# Altium PCB pi4.PcbDoc (part 2 of 4)
Units mm, origin at the board's own origin, x right, y up, seen from the top; angles counter-clockwise.
Board outline 90 x 90 mm, 6 copper layers (Top Layer, GND, Layer 1, Layer 2, +3.3V, Bottom Layer), stack 1.576 mm thick; 206 components, 185 nets, 1058 pads, 526 vias.
Unrouted connection lines stored in the file: 110.
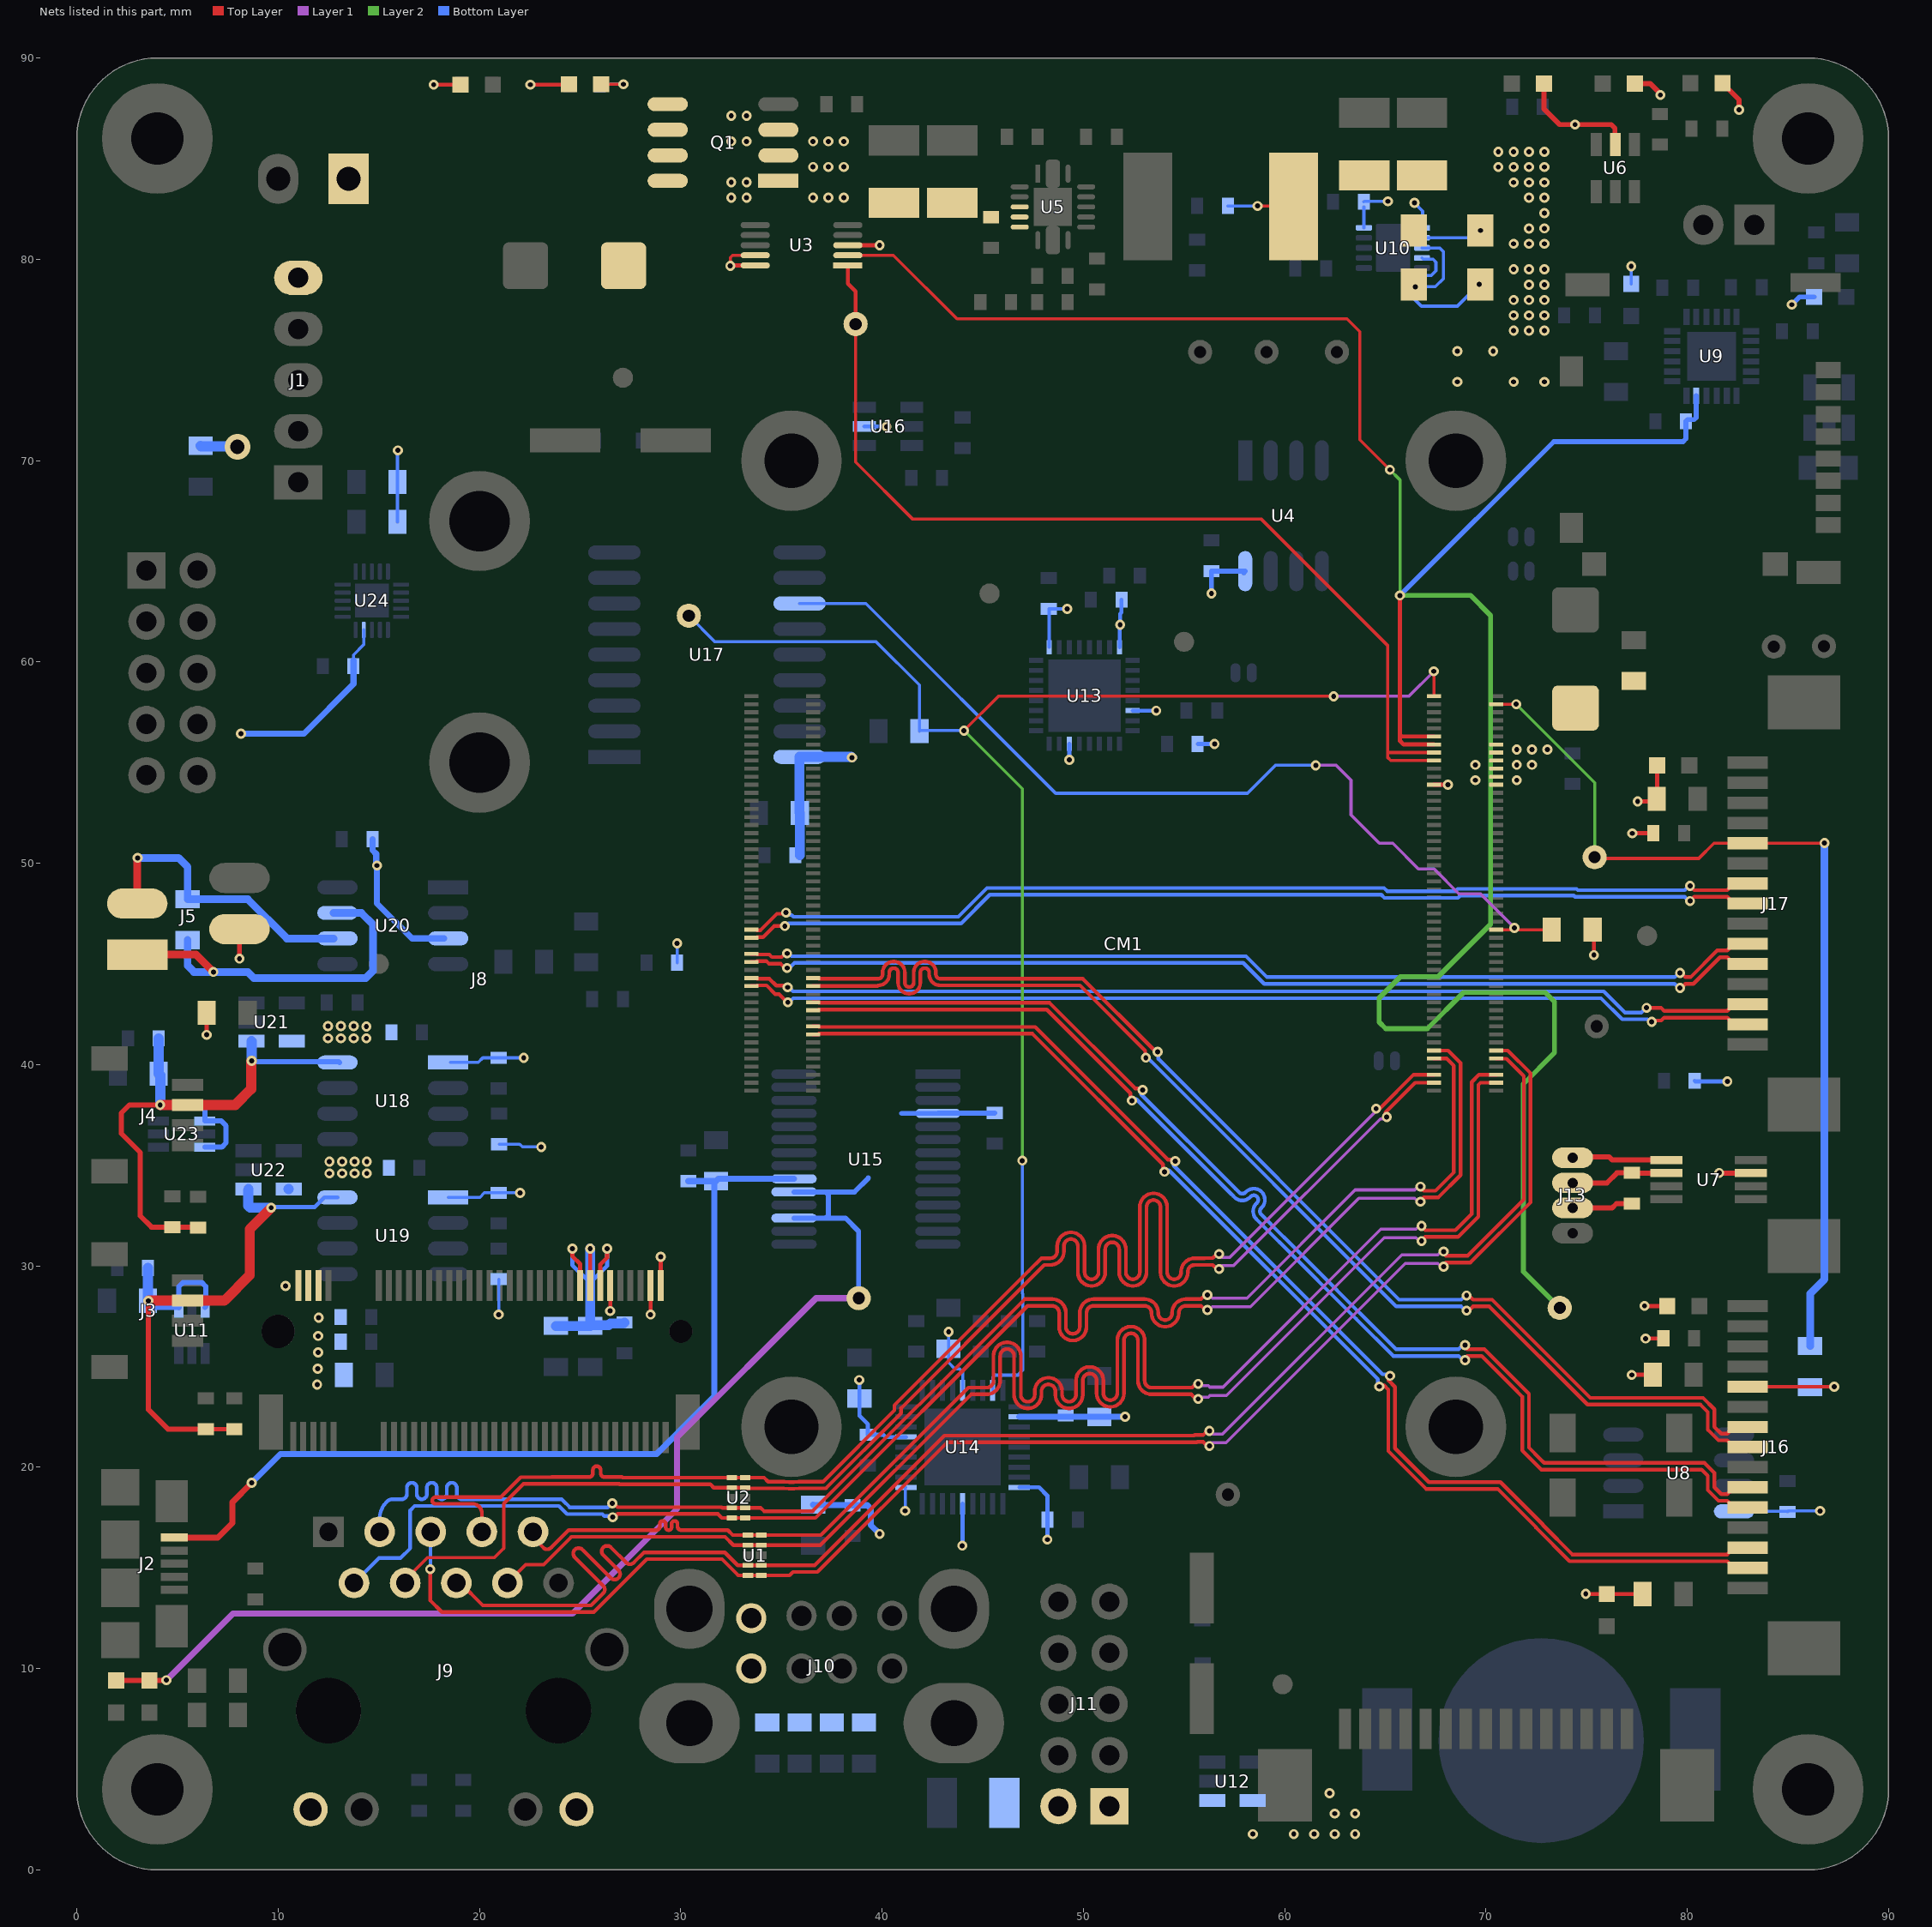
[diagram p6: the nets of this part, all layers, seen from the top]

## Part data
BAT1: library part BAT, Supplier Part Number 1=36-3080CT-ND, Supplier 1=Digi-Key
C1 C6 C16 C18 C19 C20 C22 C24 C26 C28 C29 C31 C35 C36 C37 C40 C43 C46 C51 C54 C56 C61 C62 C63 C64 C65 C67 C68 C70 C71: library part C, "Chip Capacitor", Dielectric=X7R, Supplier 2 Part Number=1292-1393-1-ND, Voltage=16V, Supplier 2=Digi-Key
C2 C41: library part C+2312, "CAP TANT 220UF 20% 10V 2312", Supplier Part Number 1=478-8899-1-ND, Voltage=10V, Supplier 1=Digi-Key
C3 C4 C8 C9: library part C, "CL32B226KPJVPNE", Supplier Part Number 1=490-1719-1-ND, Supplier 1=Digi-Key
C5 C7 C10 C11: library part C, "Chip Capacitor", Dielectric=X7R, Supplier 2 Part Number=1292-1393-1-ND, Supplier Part Number 1=490-13243-1-ND, Voltage=16V, Supplier 1=Digi-Key, Supplier 2=Digi-Key
  C7 C10 C11: Rule="Polygon Connect Style [Style - Direct Connect]"
C13 C14 C15 C17 C25 C27 C30 C34 C42 C44 C45 C47 C48 C49 C52 C53 C57 C59 C60: library part C, "CAP CER 10UF 10V X5R 0805", Supplier Part Number 1=1276-2402-1-ND, Supplier 1=Digi-Key
C21 C23: library part C, "Chip Capacitor", Dielectric=X7R, Voltage=16V
C32 C33 C50 C55 C58 C66 C69: library part C, "Chip Capacitor"
C39: library part C, "Chip Capacitor", Supplier Part Number 1=1276-3364-1-ND, Supplier 1=Digi-Key
CM1: library part CM4, "Raspberry Pi Compute Module 4 by Amornthep Phunsin"
D1 D3 D6 D7: library part LED, Supplier Part Number 1=732-4979-1-ND, Supplier 1=Digi-Key
D2: library part LED, Supplier Part Number 1=350-2035-1-ND, Supplier 1=Digi-Key
D4: library part LED, Supplier Part Number 1=492-1325-1-ND, Supplier 1=Digi-Key
D5: library part LED, Supplier Part Number 1=VAOL-S6SB4CT-ND, Supplier 1=Digi-Key, Vf=2.75V
FB1 FB2 FB3 FB4 FB5: library part FB0603, Supplier Part Number 1=240-2374-1-ND, Supplier 1=Digi-Key
FID1 FID2 FID3 FID4 FID5 FID6: library part FIDUCIAL
J1: library part "CONN 5 MALE", "0022122054", Supplier Part Number 1=WM2714-ND, Supplier 1=Digi-Key
J2: library part "CONN 5 FEMALE", "DEBUG", Supplier Part Number 1=609-5379-1-ND, FUNCTION=CONSOLE, Supplier 1=Digi-Key
J3 J4: library part "CONN 4", Supplier Part Number 1=474-PRT-14417, Supplier 1=Mouser
J5: library part "CONN 4", Supplier Part Number 1=A107031CT-ND, Supplier 1=Digi-Key
J6: library part "CONN 10 (2x5)", Supplier Part Number 1=A106469-ND, Supplier 1=Digi-Key
J7: library part "CONN 2 PHOENIX 3.5 mm", "TERM BLOCK HDR 2POS 90DEG 3.5MM", Supplier Part Number 1=277-2416-ND, Imax=8A, Supplier 1=Digi-Key
J8: Supplier Part Number 1=A124992CT-ND, Supplier 1=Digi-Key
J9: library part CONN/ETHERNET/HR911130A
J10: library part CONN/USB/2xA, "CONN RCPT USB 8POS STACK T/H", Supplier Part Number 1=5787617-4-ND, Supplier 1=Digi-Key
J11: Supplier Part Number 1=609-3236-ND, Supplier 1=Digi-Key
J12 J16 J17: library part "CONN 15 FEMALE", "CONN FPC BOTTOM 15POS 1.00MM R/A", Supplier Part Number 1=A101418CT-ND, Supplier 1=Digi-Key
  J12: FUNCTION=Display
  J16: FUNCTION="Camera 0"
  J17: FUNCTION="Camera 1"
J13: library part "CONN 4 MALE", "WM1733-ND", Supplier 1=Digi-Key, Supplier Part Number 1=WM1733-ND
J14: "10 _8 + 2_ Position Card Connector microSDâ„¢ Surface Mount, Right Angle Gold", Package=None, Supplier Part Number 1=WM12834CT-ND, Digi-Key_Part_Number=WM12834CT-ND, Digi-Key_Purchase_URL=https://www.digikey.com.tr/product-detail/en/molex/5031821852/WM12834CT-ND/5823232?utm_source=snapeda&utm_medium=aggregator&utm_campaign=symbol, MF=Molex, MP=5031821852, SnapEDA_Link=https://www.snapeda.com/parts/5031821852/Molex/view-part/46835/?ref=snap, Supplier 1=Digi-Key
J15: library part "CONN 2 MALE", Supplier Part Number 1=WM2722-ND, Supplier 1=Digi-Key
L1: library part L, "IHLP3232DZER2R2M11", Supplier Part Number 1=541-1350-1-ND, Isat=10.2A, Supplier 1=Digi-Key
Q1: library part NDS9435A, "MOSFET P-CH 30V 11A 8SOIC", Supplier Part Number 1=96K9883, Rdson="18 mΩ", Supplier 1=Newark
R1 R2 R3 R4 R5 R6 R8 R11 R12 R13 R14 R15 R16 R17 R18 R19 R20 R21 R22 R23 R24 R25 R26 R27 R28 R29 R30 R31 R32 R33 R34 R35 R36 R37 R38 R39 R40 R41 R42 R43 R44 R45 R46 R47 R48 R49 R50: library part R, "Chip Resistor SMD"
R7: library part R, "RES 73.2 KOHMS 0.1% 0.15W 0603", Supplier Part Number 1=P73.2KLCT-ND, Supplier 1=Digi-Key
R9 R10: library part R, "273-PCS1206DR0100ETCT-ND", Power=1W, Precision=0.5%, Supplier 1=Digi-Key, Supplier Part Number 1=273-PCS1206DR0100ETCT-ND
RT1: Supplier Part Number 1=1028-1430-1-ND, Supplier 1=Digi-Key
S1 S2 S3 S4: library part HOLE/M2.5
SB1 SB2 SB3 SB4: library part SOLDER-BRIDGE
SCL1 SDA1 TP8 TP10: "Test Point"
TP1 TP2 TP3 TP4 TP5 TP6 TP7 TP9: library part TP, "Test Point"
U1 U2: "TVS DIODE 5.5VWM 10VC U-DFN2510", Supplier Part Number 1=DT1140-04LP-7DICT-ND, Supplier 1=Digi-Key
U3: Supplier Part Number 1=LTC2990IMS#PBF-ND, Supplier 1=Digi-Key
U4: Supplier Part Number 1=24CW1280T-I/OTCT-ND, Supplier 1=Digi-Key
U5: library part RT7299B, "Buck Switching Regulator IC Positive Adjustable 0.6V 1 Output 8A 14-WFQFN Exposed Pad", Supplier Part Number 1=1028-1460-1-ND, Supplier 1=Digi-Key
U6: library part SN74LVC2GU, "IC INVERTER 2CH 2-INP SOT23-6", Supplier Part Number 1=296-13276-1-ND, Supplier 1=Digi-Key
U7: library part EMC2301, "IC MOTOR DRIVER 3V-3.6V 8MSOP", Supplier Part Number 1=886-EMC2301-1-ACZLTR, Supplier 1=Mouser
U8: "RTC", Supplier Part Number 1=DS1307Z+-ND, Supplier 1=Digi-Key
U9: library part TFA9879, "IC AMP CLSS D MONO 2.75W 24HVQFN", Supplier Part Number 1=568-7564-ND, Supplier 1=Digi-Key
U10: "Stromüberwachung Regler Hohe Seite  10-DFN (3x3)", Supplier Part Number 1=PAC1720-1-AIA-CT-ND, Supplier 1=Digi-Key
U11 U23: "The LTC®4311 is a dual I2C active pull-up designed to / enhance data transmission speed and reliability for bus / loading conditions well beyond the 400pF I2C specifi cation / limit. The LTC4311 operates at supply voltages from 1.6V / to 5.5V and is also compatible with SMBus."
U12 U21 U22: library part AP22804, Supplier Part Number 1=AP22814AW5-7DICT-ND, Supplier 1=Digi-Key
U13: "OPTIGA™ TPM  / SECURITY IC'S/AUTHENTICATION IC' / Trusted Platform Module", Supplier Part Number 1=SLB9670VQ12FW640XUMA1, Supplier 1="Arrow Electronics"
U14: library part USB2514B, "USB2 HUB 4-PORT", Supplier Part Number 1=8104043, Supplier 1=RSComponents
U15: Supplier Part Number 1=768-1007-1-ND, Supplier 1=Digi-Key
U16: library part SN74LVC2G07, "Buffer, Non-Inverting 2 Element 1 Bit per Element Open Drain Output SOT-23-6", Supplier Part Number 1=296-SN74AUC2G07DBVTCT-ND, Supplier 1=Digi-Key
U17: Supplier Part Number 1=MCP2515-I/SO-ND, Supplier 1=Digi-Key
U18 U19: "Low-power dual channel digital isolator", Supplier Part Number 1=336-1754-5-ND, Supplier 1=Digi-Key
U24: library part SX1502I08, "IC GPIO EXPANDER I2C 8CH 20QFNI/O Expander 8 I²C 400kHz 20-QFN-UT (3x3)", Supplier Part Number 1=SX1502I087CT-ND, Supplier 1=Digi-Key
X1: library part XTAL, Supplier Part Number 1=XC1776CT-ND, Supplier 1=Digi-Key
X2: library part XTAL, "HCM4924000000ABJT", Supplier Part Number 1=300-6145-1-ND, Supplier 1=Digi-Key
X3: library part XTAL, "CM200C32768HZFT", Supplier Part Number 1=300-8742-1-ND, Supplier 1=Digi-Key

## Via types
v1: diameter 0.5, hole 0.25, Top Layer to Bottom Layer, tented both sides, 427 vias
v2: diameter 0.5, hole 0.25, Top Layer to Bottom Layer, 94 vias
v3: diameter 1.27, hole 0.711, Top Layer to Bottom Layer, tented both sides, 5 vias

## Nets (pads, with @x,y where several pads share a name; then routed paths per layer and width w, separated by ;. In a path a pad name is that pad's centre, name@x,y a point inside that pad or via, vN(x,y) a via of type N, cw(c..) or ccw(c..) an arc to the next point about the centre after c; other vN are vias at no path point)
+1.8VPI: C24.1 CM1.88 CM1.90 TP7.1 U3.2 U9.23 | length 126.7
  Top Layer w0.152: U3.2@38.3,80.2 40.564,80.2 43.726,77.038 63.094,77.038 63.729,76.403 63.729,71.044 v2(65.227,69.545)
  Top Layer w0.203: v1(65.727,63.303) 65.727,56.388 ; CM1.88@67.42,55.9 65.903,55.9 65.727,56.075 65.727,56.388 ; CM1.90@67.42,56.3 65.815,56.3 65.727,56.388 ; 65.727,56.388 65.727,56.3 65.727,56.388
  Layer 2 w0.152: v2(65.227,69.545) 65.727,69.045 v1(65.727,63.303)
  Layer 2 w0.246: v1(65.727,63.303) 69.234,63.303 70.231,62.306 70.231,46.973 67.632,44.374 65.761,44.374 64.694,43.307 64.694,42.113 65.024,41.783 67.081,41.783 68.885,43.586 72.949,43.586 73.406,43.129 73.406,40.589 71.857,39.04 71.857,29.718 TP7.1@73.66,27.915
  Bottom Layer w0.246: v1(65.727,63.303) 73.366,70.942 79.79,70.942 79.934,71.086 C24.1@79.934,71.958 80.01,72.035 80.34,72.035 80.442,72.136 U9.23@80.442,73.228
+3.3V: C13.1 C14.1 C15.1 C16.1 C18.1 C22.1 C34.1 C35.1 C36.1 C37.1 C42.1 C43.1 C45.1 C46.1 C48.1 C50.1 C51.1 C56.1 C57.1 C59.1 C60.1 C62.1 C63.1 C70.1 C71.1 CM1.78 D1.1 D2.1 D3.1 D4.1 D5.1 FB1.1 FB2.1 FB3.1 FB4.1 J8.2 J8.4 J8.12 J8.14 J8.16 J8.18 J8.70 J8.72 J8.74 J9.11 J9.14 R5.1 R9.2 R11.2 R22.1 R25.1 R38.2 R39.1 R40.1 R41.1 R42.1 R48.2 R49.1 U3.3 U4.8 U6.5 U7.3 U10.4 U13.1 U13.8 U13.14 U13.22 U14.5 U14.10 U14.15 U14.23 U14.29 U14.36 U16.5 U17.18 U18.1 U19.1 U24.14 | length 131.1
  Top Layer w0.15: v1@12,27.446 v1(12.014,27.432)
  Top Layer w0.203: v1(6.452,41.478) R5.1@6.452,42.57 ; v2(17.729,88.671) D1.1@19.063,88.671 ; v2(22.53,88.671) 24.422,88.671 D2.1@24.448,88.697 ; v1(24.613,30.861) 24.613,30.48 25,30.093 J8.18@25,29.025 ; J8.16@25.5,29.025 25.5,30.859 v1(25.502,30.861) ; J8.14@26,29.025 26,30.064 26.34,30.404 v1(26.34,30.861) ; v1(26.492,27.762) 26.492,27.788 26.5,27.795 J8.12@26.5,29.025 ; v1(28.499,27.584) 28.5,27.586 J8.4@28.5,29.025 ; J8.2@29,29.025 29,30.448 v1(29.007,30.455) ; U3.3@38.3,80.7 39.874,80.7 v1(39.878,80.696) ; CM1.78@67.42,53.9 v1(68.105,53.9) ; v1(74.955,13.716) 75.006,13.716 75.022,13.7 FB2.1@76,13.7 C13.1@77.784,13.7 ; R11.2@75.3,46.7 75.362,46.638 v1(75.362,45.441) ; v1(77.241,24.587) 77.254,24.6 C14.1@78.284,24.6 ; v1(77.267,51.486) 77.281,51.5 C16.1@78.313,51.5 ; v1(77.536,53.07) 78.354,53.07 78.5,53.216 FB3.1@78.5,55 ; v1(77.876,28.016) 77.893,28 FB4.1@79,28 ; v1(77.927,26.391) 77.937,26.4 C18.1@78.813,26.4 ; v1(81.991,39.167) v1@82.005,39.153
  Top Layer w0.25: D5.1@72.885,88.722 72.885,87.465 73.66,86.69 76.225,86.69 76.406,86.51 76.406,85.729 U6.5@76.429,85.706 ; D4.1@77.394,88.722 78.169,88.722 78.664,88.227 v2(78.664,88.163) ; D3.1@81.75,88.75 82.575,87.925 v2(82.575,87.427)
  Top Layer w0.254: v2(81.585,34.62) 81.685,34.62 81.695,34.61 U7.3@83.16,34.61
  Bottom Layer w0.15: U19.1@18.449,33.405 20.019,33.405 20.244,33.63 R41.1@20.955,33.63 v1(22.022,33.63) ; U18.1@18.549,40.105 19.937,40.105 20.168,40.335 R40.1@20.955,40.335 v1(22.2,40.335) ; v1(20.955,27.584) R42.1@20.955,29.337 ; R39.1@20.98,36.043 21.996,36.043 22.129,35.91 v1(23.069,35.91) ; C50.1@35.9,52.516 C50.1@35.916,52.5 ; v1(41.148,17.831) 41.148,18.965 U14.10@41.183,19 ; v1(43.307,26.721) 43.3,26.714 C42.1@43.3,25.884 43.3,25.204 43.612,24.892 43.84,24.892 44,24.732 U14.23@44,23.817 ; U10.4@66.824,80.069 66.889,80.004 67.367,80.004 67.513,79.858 67.513,79.426 67.291,79.204 66.391,79.204 66.022,78.835 66.022,78.442 66.791,77.673 68.58,77.673 v1(69.672,78.765)
  Bottom Layer w0.152: C71.1@13.741,60.071 13.741,60.35 14.256,60.865 U24.14@14.256,61.593 ; R49.1@15.926,66.954 R38.2@15.926,68.936 15.926,70.485 v2(15.951,70.51) ; U13.1@48.301,60.732 48.301,62.621 C37.1@48.285,62.636 v2(49.2,62.636)
  Bottom Layer w0.203: C59.1@23.8,27.016 C59.1@23.816,27 ; v1(24.613,30.861) 24.613,30.047 25.501,29.159 26.34,29.998 v1(26.34,30.861) ; v2(38.862,24.333) 38.862,24.308 38.875,24.295 C45.1@38.875,23.416 38.875,22.554 39.294,22.136 C43.1@39.294,21.615 40.051,21.615 40.166,21.5 U14.15@41.183,21.5 ; U16.5@39.125,71.7 39.13,71.695 40.217,71.695 v1(40.222,71.69) ; v1(43.985,16.104) 44,16.119 U14.5@44,18.183 ; U14.36@46.817,19 47.802,19 48.213,18.589 C35.1@48.213,17.4 48.213,16.463 48.209,16.459 v1(48.209,16.408) ; v1@49.301,55.245 U13.22@49.301,55.932 ; v1(49.301,55.143) v1@49.301,55.245 ; U13.8@51.801,60.732 51.801,61.823 v1(51.827,61.849) 51.827,62.394 51.892,62.459 R25.1@51.892,63.094 ; U13.14@52.451,57.582 v1(53.619,57.582) ; R22.1@55.677,55.931 v1(56.515,55.931) ; C22.1@80.366,39.192 80.391,39.167 v1(81.991,39.167)
  Bottom Layer w0.254: v2(56.363,63.398) C70.1@56.363,64.516 58.033,64.516 U4.8@58.039,64.51 U4.8@57.963,64.434 ; v2(85.192,77.749) 85.573,78.13 FB1.1@86.296,78.13
  Bottom Layer w0.296: U14.29@46.817,22.5 49.1,22.5 C34.1@50.8,22.5 52.066,22.5 v1(52.07,22.504)
  Bottom Layer w0.305: v2(8.153,56.439) 11.278,56.439 13.741,58.903 C71.1@13.741,59.792 C71.1@13.741,60.071 ; C48.1@36.576,18.136 36.589,18.123 38.519,18.123 C46.1@38.532,18.11 39.267,18.11 39.445,17.932 39.445,17.12 v2(39.878,16.688)
  Bottom Layer w0.5: C59.1@23.8,27.016 C57.1@25.5,27.016 ; v1(25.502,30.861) 25.501,29.159 25.501,27.017 25.535,27.051 26.416,27.051 26.502,27.137 27.15,27.137 C56.1@27.2,27.187 ; C50.1@35.9,52.516 U17.18@35.9,55.285 38.465,55.285 v1(38.5,55.25) ; C51.1@35.916,50.4 C50.1@35.916,52.5
  Bottom Layer w0.508: R48.2@6.147,70.739 6.172,70.714 7.95,70.714 v3(7.976,70.688)
  other v1: 11.938,24.105 11.963,24.892 11.989,25.705 11.989,26.518 10.363,29.007 68.58,73.914 71.374,73.914 72.898,73.914 68.58,75.438 70.358,75.438 71.374,76.454 72.136,76.454 72.898,76.454 71.374,77.216 72.136,77.216 72.898,77.216 71.374,77.978 72.136,77.978 72.898,77.978 72.136,78.74 72.898,78.74 71.374,79.502 72.136,79.502 72.898,79.502
  other v2: 74.422,86.69
+3.3VFTDI: C40.1 D6.1 D7.1 TP10.1 U15.4 U15.17 U15.19 | length 63.7
  Top Layer w0.25: D7.1@1.956,9.411 D6.1@3.607,9.411 4.432,9.411 v2(4.445,9.423)
  Layer 1 w0.305: v2(4.445,9.423) 7.747,12.725 24.613,12.725 29.82,17.932 29.82,21.488 36.728,28.397 TP10.1@38.837,28.397
  Bottom Layer w0.25: U15.17@35.625,32.375 37.182,32.375 ; U15.19@35.625,33.675 37.182,33.675 ; TP10.1@38.837,28.397 38.837,31.725 38.186,32.375 37.182,32.375 ; 39.319,34.366 38.628,33.675 37.182,33.675 ; 40.97,37.575 U15.4@42.775,37.575 42.788,37.588 45.588,37.588 C40.1@45.6,37.6 ; 37.182,32.375 37.328,32.521 37.328,33.529 37.182,33.675
+3.3VI2C: C64.1 C67.1 R10.2 U10.2 U21.5 U22.5 | length 3.1
  Bottom Layer w0.152: U10.2@66.824,81.069 69.359,81.069 v1(69.723,81.432)
  Bottom Layer w0.5: U22.5@10.516,33.813 U22.5@10.525,33.823
  other v1: 12.548,34.595 13.183,34.595 13.792,34.595 14.402,34.595 12.548,35.179 13.183,35.179 13.792,35.179 14.402,35.179 12.48,41.305 13.115,41.305 13.75,41.305 14.385,41.305 14.385,41.89 12.48,41.915 13.115,41.915 13.75,41.915 71.374,80.772 72.136,80.772 72.898,80.772 72.139,81.531 72.898,81.534 72.898,82.296 72.139,83.061 72.898,83.058 71.374,83.82 72.136,83.82 72.898,83.82 70.612,84.582 71.374,84.582 72.136,84.582 72.898,84.582 70.612,85.344 71.374,85.344 72.136,85.344 72.898,85.344
+3.3VI2C1: C68.1 C69.1 J4.2 R2.1 R4.1 U18.8 U21.1 U23.1 U23.3 | length 31.7
  Top Layer w0.254: v2@4.142,38 v2(4.14,37.998) 2.616,37.998 2.21,37.592 2.21,36.576 3.15,35.636 3.15,32.487 3.708,31.928 R2.1@4.75,31.928 5.994,31.928 R4.1@6.02,31.902
  Top Layer w0.508: v2@4.142,38 J4.2@5.5,38 7.876,38 8.661,38.786 8.661,40.157 v1(8.687,40.183)
  Bottom Layer w0.254: v2(4.14,37.998) 6.172,37.998 6.357,37.814 U23.1@6.357,37.201 6.367,37.211 7.163,37.211 7.417,36.957 7.417,36.119 7.199,35.901 U23.3@6.357,35.901 ; v1(8.687,40.183) 8.726,40.144 13.012,40.144 U18.8@13.051,40.105
  Bottom Layer w0.5: U21.1@8.677,41.163 8.682,41.158 8.682,40.187 v1(8.687,40.183)
  Bottom Layer w0.508: C68.1@4.064,41.3 C69.1@4.064,39.548 4.14,39.472 v2(4.14,37.998)
+3.3VI2C6: C65.1 C66.1 J3.2 R1.1 R3.1 U11.1 U11.3 U19.8 U22.1 | length 31.7
  Top Layer w0.203: R1.1@6.401,21.895 R3.1@7.823,21.895
  Top Layer w0.25: 7.327,28.282 7.345,28.3
  Top Layer w0.254: v2(3.556,28.27) 3.556,22.86 4.521,21.895 R1.1@6.401,21.895
  Top Layer w0.5: 7.345,28.3 8.585,29.54 8.585,31.826 v2(9.652,32.893)
  Top Layer w0.508: v2(3.556,28.27) 3.567,28.282 J3.2@5.5,28.282 7.327,28.282
  Bottom Layer w0.203: v2(9.652,32.893) 9.677,32.918 11.814,32.918 12.301,33.405 U19.8@12.951,33.405
  Bottom Layer w0.254: U11.1@5.065,27.947 5.065,28.966 5.283,29.185 6.198,29.185 6.401,28.981 6.401,27.983 U11.3@6.365,27.947
  Bottom Layer w0.305: C66.1@3.556,27.965 5.047,27.965 U11.1@5.065,27.947
  Bottom Layer w0.5: U22.1@8.525,33.823 8.525,33.756 8.517,33.748 8.517,32.987 8.611,32.893 v2(9.652,32.893)
  Bottom Layer w0.508: C66.1@3.531,28.27 C65.1@3.531,29.896
+3.3VPI: CM1.84 CM1.86 TP2.1 U3.1 | length 50.3
  Top Layer w0.152: TP2.1@38.684,76.784 38.684,69.926 41.504,67.107 58.826,67.107 65.126,60.808 65.126,55.55 65.126,55.245 65.271,55.1 CM1.84@67.42,55.1 ; 65.175,55.5 CM1.86@67.42,55.5
  Top Layer w0.203: U3.1@38.3,79.7 38.3,78.794 38.684,78.41 TP2.1@38.684,76.784
+3.3VU: C8.1 C9.1 C29.1 L1.1 R7.1 R9.1 R10.1 U10.1 U10.3 U10.10 | length 11
  Top Layer w0.15: v2(58.649,82.652) 60.414,82.652 L1.1@60.439,82.626
  Bottom Layer w0.15: R7.1@57.175,82.652 v2(58.649,82.652) ; C29.1@63.932,82.601 63.935,82.598 U10.10@63.935,81.569 ; C29.1@63.932,82.855 63.957,82.88 v2(65.126,82.88) ; v1(66.446,82.804) 66.853,82.398 66.853,81.634 66.824,81.605 U10.1@66.824,81.569 ; v1(66.497,78.638) 67.488,78.638 67.894,79.045 67.894,80.366 67.691,80.569 U10.3@66.824,80.569
+5V: C3.1 C4.1 C5.1 C19.1 C30.1 C41.1 C61.1 CM1.77 CM1.79 CM1.81 CM1.83 CM1.85 CM1.87 FB5.1 J1.5 J5.2 J13.3 Q1.1 Q1.2 Q1.3 R12.1 R17.2 U3.9 U3.10 U5.4 U5.5 U5.6 U8.8 U12.5 U20.3 | length 20.9
  Top Layer w0.152: v1(32.461,79.68) 32.461,80.088 32.574,80.2 U3.9@33.7,80.2
  Top Layer w0.203: v1(32.461,79.68) 32.481,79.7 U3.10@33.7,79.7
  Top Layer w0.25: v1(8.077,45.263) 8.08,45.266 J5.2@8.08,46.73
  Top Layer w0.254: J13.3@74.3,32.875 76.258,32.875 76.479,33.096 R17.2@77.241,33.096
  Bottom Layer w0.15: U8.8@82.321,17.805 84.954,17.805 C19.1@84.976,17.783
  Bottom Layer w0.152: R12.1@29.82,45.06 v2(29.82,46.025) ; FB5.1@77.216,78.778 v1(77.216,79.654) ; C19.1@84.976,17.783 85.021,17.828 v1(86.602,17.828)
  Bottom Layer w0.305: C61.1@14.687,51.2 14.687,50.65 14.872,50.465 14.872,49.923 v1(14.91,49.886) 14.91,48.006 16.651,46.265 U20.3@18.249,46.265
  other v1: 58.42,1.778 60.452,1.778 61.468,1.778 62.484,1.778 63.5,1.778 62.484,2.794 63.5,2.794 62.23,3.81 69.469,54.127 71.526,54.127 69.469,54.889 71.526,54.889 72.288,54.889 71.526,55.651 72.288,55.651 73.05,55.651 32.508,83.063 33.27,83.063 36.572,83.063 37.334,83.063 38.096,83.063 32.508,83.825 33.27,83.825 36.572,84.587 37.334,84.587 38.096,84.587 32.508,85.857 33.27,85.857 36.572,85.857 37.334,85.857 38.096,85.857 32.508,87.127 33.27,87.127
+5VIN: C2.1 J7.1 Q1.5 Q1.6 Q1.7 Q1.8
+5VUSB: C39.1 C44.1 C47.1 C49.1 C52.1 J10.1A J10.1B J11.1 J11.2 U12.1
+5VUSBD: C53.1 C54.1 J2.1 U15.20 | length 46.4
  Top Layer w0.305: J2.1@4.834,16.508 4.842,16.5 7,16.5 7.722,17.221 7.722,18.263 v1(8.687,19.228)
  Bottom Layer w0.305: v1(8.687,19.228) 10.109,20.65 28.804,20.65 31.674,23.52 31.674,34.138 C53.1@31.75,34.214 ; C54.1@30.378,34.214 C53.1@31.75,34.214 ; U15.20@35.625,34.325 31.861,34.325 C53.1@31.75,34.214
ACTIVITY: D2.2 R35.2 | length 2.3
  Top Layer w0.15: D2.2@26.048,88.697 v2(27.153,88.697)
  Bottom Layer w0.15: R35.2@25.984,88.697 v2(27.153,88.697)
CAM0-CK0_N: CM1.140 J17.8 | length 50.8
  Top Layer w0.184: CM1.140@33.5,46.3 33.75,46.3 33.783,46.333 34.09,46.333 34.636,46.88 v1(35.169,46.88) ; v1(80.137,48.125) 80.137,48.13 80.34,48.333 81.984,48.333 82.092,48.226 82.092,48.213 82.305,48 J17.8@83,48
  Bottom Layer w0.184: v1(35.169,46.88) 35.209,46.88 35.337,47.008 43.924,47.008 45.354,48.438 64.801,48.438 64.958,48.281 68.612,48.281 68.727,48.396 74.36,48.396 74.423,48.333 79.871,48.333 80.079,48.125 v1(80.137,48.125)
CAM0-CK0_P: CM1.142 J17.9 | length 51
  Top Layer w0.184: CM1.142@33.5,46.7 33.75,46.7 33.783,46.667 33.952,46.667 34.774,47.489 35.169,47.489 v1(35.23,47.55) ; v1(80.137,48.875) 80.137,48.87 80.34,48.667 81.984,48.667 82.092,48.774 82.092,48.787 82.305,49 J17.9@83,49
  Bottom Layer w0.184: v1(35.23,47.55) 35.315,47.55 35.44,47.426 35.51,47.426 35.594,47.342 43.786,47.342 45.216,48.772 64.939,48.772 65.097,48.615 68.474,48.615 68.589,48.73 74.498,48.73 74.561,48.667 79.871,48.667 80.079,48.875 v1(80.137,48.875)
CAM0-D0_N: CM1.128 J17.2 | length 50.7
  Top Layer w0.184: CM1.128@33.5,43.9 33.75,43.9 33.783,43.933 34.259,43.933 34.694,43.498 34.883,43.498 35.29,43.092 v1(35.317,43.092) ; v1(78.232,42.125) 78.293,42.186 78.702,42.186 78.849,42.333 81.984,42.333 82.092,42.226 82.092,42.213 82.305,42 J17.2@83,42
  Bottom Layer w0.184: v1(35.317,43.092) 35.375,43.092 35.583,43.3 75.715,43.3 76.766,42.249 78.022,42.249 78.146,42.125 v1(78.232,42.125)
CAM0-D0_P: CM1.130 J17.3 | length 50.5
  Top Layer w0.184: CM1.130@33.5,44.3 33.75,44.3 33.783,44.267 34.397,44.267 34.743,43.921 35.226,43.921 v1(35.306,43.841) ; v1(77.978,42.821) 78.695,42.821 78.849,42.667 81.984,42.667 82.092,42.774 82.092,42.787 82.305,43 J17.3@83,43
  Bottom Layer w0.184: v1(35.306,43.841) 35.364,43.841 35.572,43.633 75.853,43.633 76.904,42.583 77.713,42.583 77.951,42.821 v1(77.978,42.821)
CAM0-D1_N: CM1.134 J17.5 | length 50.9
  Top Layer w0.184: CM1.134@33.5,45.1 33.75,45.1 33.783,45.133 34.259,45.133 34.387,45.005 34.654,45.005 34.965,45.005 v1@35.173,44.797 ; v1(79.638,43.804) 79.696,43.804 79.904,44.012 80.302,44.012 81.623,45.333 81.984,45.333 82.092,45.226 82.092,45.213 82.305,45 J17.5@83,45
  Bottom Layer w0.184: v1(35.281,44.797) 35.393,44.797 35.648,45.052 35.876,45.052 57.942,45.052 58.982,44.012 79.373,44.012 79.581,43.804 v1(79.638,43.804)
CAM0-D1_P: CM1.136 J17.6 | length 51
  Top Layer w0.184: CM1.136@33.5,45.5 33.75,45.5 33.783,45.467 34.397,45.467 34.525,45.339 35.011,45.339 35.195,45.523 v1(35.281,45.523) ; v1(79.638,44.554) 79.696,44.554 79.904,44.346 80.164,44.346 81.485,45.667 81.984,45.667 82.092,45.774 82.092,45.787 82.305,46 J17.6@83,46
  Bottom Layer w0.184: v1(35.281,45.523) 35.366,45.523 35.503,45.386 58.081,45.386 59.121,44.346 79.373,44.346 79.581,44.554 v1(79.638,44.554)
CAM0-GPIO: CM1.97 J17.11 R13.2 TP8.1 | length 47.3
  Top Layer w0.152: CM1.97@70.5,57.9 v1(71.504,57.9) ; TP8.1@75.4,50.3 75.459,50.241 80.569,50.241 81.328,51 J17.11@83,51 83.003,51.003 v1(86.817,51.003)
  Layer 2 w0.152: v1(71.504,57.9) 75.4,54.004 TP8.1@75.4,50.3
  Bottom Layer w0.381: R13.2@86.1,26.016 86.1,28.62 86.817,29.337 v1(86.817,51.003)
CAM1-CK0_N: CM1.127 J16.8 | length 59.7
  Top Layer w0.184: CM1.127@36.58,43.9 39.367,43.9 39.773,43.9 39.806,43.933 ccw(c39.806,44.486) 40.359,44.486 40.359,44.572 cw(c40.578,44.572) 40.797,44.572 40.797,44.07 ccw(c41.349,44.07) 41.902,44.07 41.902,44.572 cw(c42.121,44.572) 42.339,44.572 42.339,44.486 ccw(c42.892,44.486) 42.892,43.933 44.185,43.933 49.829,43.933 53.075,40.687 53.075,40.373 v1(53.106,40.342) ; v1(69.037,27.779) 69.145,27.779 69.353,27.987 70.165,27.987 75.039,23.114 80.645,23.114 80.721,23.038 81.016,22.743 81.016,21.865 81.548,21.333 81.984,21.333 82.092,21.226 82.092,21.213 82.305,21 J16.8@83,21
  Bottom Layer w0.184: v1(53.106,40.342) 53.192,40.342 53.353,40.181 65.547,27.987 68.771,27.987 68.98,27.779 v1(69.037,27.779)
CAM1-CK0_P: CM1.129 J16.9 | length 59.7
  Top Layer w0.184: CM1.129@36.58,44.3 36.83,44.3 36.863,44.267 39.548,44.267 39.806,44.267 ccw(c39.806,44.486) 40.025,44.486 40.025,44.572 cw(c40.578,44.572) 41.13,44.572 41.13,44.07 ccw(c41.349,44.07) 41.568,44.07 41.568,44.572 cw(c42.121,44.572) 42.673,44.572 42.673,44.486 ccw(c42.892,44.486) 42.892,44.267 44.185,44.267 49.967,44.267 53.441,40.793 53.603,40.632 v1(53.688,40.632) ; v1(69.037,28.529) 69.145,28.529 69.353,28.321 70.304,28.321 75.177,23.448 80.783,23.448 81.35,22.881 81.35,22.003 81.686,21.667 81.984,21.667 82.092,21.774 82.092,21.787 82.305,22 J16.9@83,22
  Bottom Layer w0.184: v1(53.688,40.632) 53.719,40.601 53.719,40.287 65.685,28.321 68.771,28.321 68.98,28.529 v1(69.037,28.529)
CAM1-D0_N: CM1.115 J16.2 | length 59.7
  Top Layer w0.184: CM1.115@36.58,41.5 36.83,41.5 36.863,41.533 47.468,41.533 53.956,35.046 53.956,34.752 v1(54.032,34.675) ; v1(64.7,24.007) 64.771,24.079 64.923,24.079 65.148,23.854 65.148,20.802 67.025,18.924 70.579,18.924 72.492,17.011 72.492,16.993 74.151,15.333 81.984,15.333 82.092,15.226 82.092,15.213 82.305,15 J16.2@83,15
  Bottom Layer w0.184: v1(54.032,34.675) 54.103,34.747 54.255,34.747 64.624,24.378 64.624,24.084 v1(64.7,24.007)
CAM1-D0_P: CM1.117 J16.3 | length 59.7
  Top Layer w0.184: CM1.117@36.58,41.9 36.83,41.9 36.863,41.867 47.607,41.867 54.192,35.282 54.486,35.282 v1(54.562,35.206) ; v1(65.23,24.538) 65.159,24.467 65.159,24.315 65.481,23.992 65.481,20.94 67.163,19.258 70.717,19.258 72.825,17.15 72.825,17.131 74.289,15.667 81.984,15.667 82.092,15.774 82.092,15.787 82.305,16 J16.3@83,16
  Bottom Layer w0.184: v1(54.562,35.206) 54.491,35.135 54.491,34.983 64.86,24.614 65.154,24.614 v1(65.23,24.538)
CAM1-D1_N: CM1.121 J16.5 | length 60.1
  Top Layer w0.184: CM1.121@36.58,42.7 36.83,42.7 36.863,42.733 38.837,42.733 44.275,42.733 48.184,42.733 52.335,38.582 52.335,38.287 v1(52.412,38.211) ; v1(68.961,25.319) 68.961,25.419 69.069,25.527 69.785,25.527 71.367,23.945 71.798,23.513 71.798,20.835 72.466,20.168 72.753,19.881 80.714,19.881 81.013,19.582 81.013,18.868 81.548,18.333 81.984,18.333 82.092,18.226 82.092,18.213 82.305,18 J16.5@83,18
  Bottom Layer w0.184: v1(52.412,38.211) 52.483,38.283 52.635,38.283 56.216,34.702 57.32,33.597 57.455,33.463 57.503,33.415 ccw(c57.894,33.805) 58.286,33.415 58.311,33.44 ; 58.312,33.441 cw(c58.466,33.286) 58.62,33.131 ; 58.62,33.13 58.595,33.105 ccw(c58.985,32.714) 58.595,32.322 59.612,31.305 59.746,31.171 63.569,27.348 65.39,25.527 68.645,25.527 68.853,25.319 v1(68.961,25.319)
CAM1-D1_P: CM1.123 J16.6 | length 60.1
  Top Layer w0.184: CM1.123@36.58,43.1 36.83,43.1 36.863,43.067 38.837,43.067 44.275,43.067 48.322,43.067 52.571,38.818 52.866,38.818 v1(52.942,38.742) ; v1(68.961,26.069) 68.961,25.968 69.069,25.861 69.923,25.861 71.377,24.407 72.132,23.651 72.132,20.974 72.702,20.404 72.891,20.215 80.852,20.215 81.347,19.72 81.347,19.006 81.686,18.667 81.984,18.667 82.092,18.774 82.092,18.787 82.305,19 J16.6@83,19
  Bottom Layer w0.184: v1(52.942,38.742) 52.871,38.671 52.871,38.518 57.556,33.833 57.69,33.699 57.739,33.651 ccw(c57.894,33.805) 58.049,33.65 58.074,33.675 ; 58.075,33.676 cw(c58.466,33.286) 58.801,33.725 58.808,33.725 58.906,33.628 58.906,33.62 cw(c58.466,33.286) 58.857,32.895 58.831,32.869 ccw(c58.985,32.714) 58.831,32.559 59.848,31.541 59.982,31.407 61.665,29.724 63.579,27.81 63.805,27.584 65.529,25.861 68.645,25.861 68.853,26.069 v1(68.961,26.069)
CAM1-GPIO: J16.11 R13.1 | length 5.5
  Top Layer w0.152: J16.11@83,24 87.297,24 v1(87.3,24.003)
  Bottom Layer w0.152: R13.1@86.1,23.984 86.119,24.003 v1(87.3,24.003)
CAN_INTn: CM1.41 R11.1 U17.12 | length 47.2
  Top Layer w0.152: CM1.41@70.5,46.7 71.23,46.7 71.318,46.788 v1(71.413,46.788) ; v1@71.418,46.799 71.517,46.7 R11.1@73.268,46.7
  Layer 1 w0.152: v1(61.544,54.864) 62.56,54.864 63.297,54.127 63.297,52.4 64.705,50.992 65.371,50.992 66.643,49.72 67.424,49.72 68.656,48.489 69.729,48.489 71.413,46.805 v1(71.413,46.788)
  Bottom Layer w0.152: U17.12@35.9,62.905 39.195,62.905 48.623,53.477 58.154,53.477 59.542,54.864 v1(61.544,54.864)
CAN_N: J5.3 R45.1 U20.6 | length 14.6
  Top Layer w0.381: J5.3@3,48 3,50.244 v1(3.023,50.267)
  Bottom Layer w0.381: v1(3.023,50.267) 5.055,50.267 5.5,49.821 R45.1@5.5,48.216 8.484,48.216 10.435,46.265 U20.6@12.751,46.265
CAN_P: J5.1 R45.2 U20.7 | length 19.6
  Top Layer w0.381: J5.1@3,45.46 5.924,45.46 v1(6.782,44.602)
  Bottom Layer w0.216: U20.7@12.751,47.535 U20.7@12.841,47.625
  Bottom Layer w0.381: R45.2@5.5,46.184 5.5,44.919 5.817,44.602 v1(6.782,44.602) 8.484,44.602 8.782,44.305 14.358,44.305 14.707,44.653 14.707,46.965 14.136,47.535 U20.7@12.751,47.535
CM4-nEXTRST: CM1.100 R32.2 TP1.1 U14.26 | length 78.5
  Top Layer w0.152: v1(44.069,56.591) 45.771,58.293 v1(62.433,58.293) ; v1(67.412,59.538) 67.412,58.308 CM1.100@67.42,58.3
  Layer 1 w0.152: v1(62.433,58.293) 66.167,58.293 v1(67.412,59.538)
  Layer 2 w0.152: v1(44.069,56.591) 46.965,53.696 v1(46.965,35.23)
  Bottom Layer w0.152: TP1.1@30.4,62.3 31.689,61.011 39.7,61.011 41.859,58.852 R32.2@41.859,56.566 41.885,56.591 v1(44.069,56.591) ; U14.26@45.5,23.817 45.5,24.473 45.602,24.574 46.748,24.574 46.99,24.816 46.99,28.6 46.965,28.626 v1(46.965,35.23)
ETH_D0_N: CM1.10 J9.3 U2.2 U2.9 | length 76.4
  Top Layer w0.184: v1(26.602,18.205) 26.675,18.205 26.868,18.012 32.026,18.012 32.055,17.983 U2.9@32.537,17.983 32.539,17.985 33.196,17.985 U2.2@33.198,17.983 33.968,17.983 34.135,17.817 36.55,17.817 47.083,28.35 47.371,28.35 48.45,28.35 cw(c48.45,27.67) 49.13,27.67 49.13,26.973 ccw(c49.475,26.973) 49.821,26.973 49.821,27.67 cw(c50.501,27.67) 50.501,28.35 50.759,28.35 53.037,28.35 cw(c53.037,27.67) 53.717,27.67 53.717,27.658 ccw(c54.063,27.658) 54.408,27.658 54.408,27.67 cw(c55.088,27.67) 55.088,28.35 55.347,28.35 55.426,28.35 55.429,28.353 55.844,28.353 56.052,28.561 v1(56.159,28.561) ; v1(66.751,33.939) 66.751,33.884 66.904,33.731 67.488,33.731 68.402,34.646 68.402,39.943 68.045,40.3 CM1.10@67.42,40.3
  Layer 1 w0.15: v1(56.159,28.561) 56.25,28.561 56.413,28.397 58.128,28.397 63.506,33.775 66.466,33.775 66.629,33.939 v1(66.751,33.939)
  Bottom Layer w0.15: J9.3@14.889,16.792 J9.3@14.889,16.972
  Bottom Layer w0.184: J9.3@15.063,16.815 J9.3@15.04,16.792 15.04,17.437 cw(c16.243,17.437) 15.392,18.288 cw(c15.69,17.99) 15.69,18.411 16.053,18.411 16.145,18.411 ccw(c16.145,18.659) 16.393,18.659 16.393,18.982 cw(c16.641,18.982) 16.641,19.23 cw(c16.641,18.982) 16.889,18.982 16.889,18.659 ccw(c17.137,18.659) 17.137,18.411 ccw(c17.137,18.659) 17.385,18.659 17.385,18.982 cw(c17.633,18.982) 17.633,19.23 cw(c17.633,18.982) 17.881,18.982 17.881,18.659 ccw(c18.129,18.659) 18.129,18.411 ccw(c18.129,18.659) 18.377,18.659 18.377,18.982 cw(c18.625,18.982) 18.625,19.23 cw(c18.625,18.982) 18.873,18.982 18.873,18.659 ccw(c19.121,18.659) 19.121,18.411 21.184,18.411 24.083,18.411 24.181,18.314 24.485,18.009 26.375,18.009 26.571,18.205 v1(26.602,18.205)
ETH_D0_P: CM1.12 J9.2 U2.1 U2.10 | length 76.4
  Top Layer w0.184: v1(26.619,17.518) 26.705,17.518 26.866,17.678 31.845,17.678 32.04,17.483 U2.10@32.537,17.483 33.253,17.483 36.689,17.483 47.222,28.016 47.371,28.016 48.45,28.016 cw(c48.45,27.67) 48.796,27.67 48.796,26.973 ccw(c49.475,26.973) 50.155,26.973 50.155,27.67 cw(c50.501,27.67) 50.501,28.016 50.759,28.016 53.037,28.016 cw(c53.037,27.67) 53.383,27.67 53.383,27.658 ccw(c54.063,27.658) 54.742,27.658 54.742,27.67 cw(c55.088,27.67) 55.088,28.016 55.347,28.016 55.565,28.016 55.568,28.019 55.844,28.019 56.052,27.811 v1(56.159,27.811) ; v1(66.751,33.189) 66.751,33.245 66.904,33.398 67.626,33.398 68.736,34.507 68.736,40.081 68.117,40.7 CM1.12@67.42,40.7
  Layer 1 w0.15: v1(56.159,27.811) 56.25,27.811 56.413,27.975 58.303,27.975 63.681,33.353 66.466,33.353 66.629,33.189 v1(66.751,33.189)
  Bottom Layer w0.15: J9.2@13.619,14.252 J9.2@13.694,14.328
  Bottom Layer w0.184: J9.2@13.77,14.252 15.012,15.494 16.079,15.494 16.561,15.976 16.561,17.856 16.782,18.078 23.945,18.078 24.347,17.676 26.106,17.676 26.204,17.578 26.559,17.578 v1(26.619,17.518)
ETH_D1_N: CM1.6 J9.7 U2.5 U2.6 | length 78.1
  Top Layer w0.184: J9.7@20.12,16.792 20.12,17.712 ccw(c19.646,17.712) 19.646,18.186 17.805,18.186 cw(c17.805,18.339) 17.653,18.339 cw(c17.831,18.339) 17.831,18.517 21.057,18.517 22.047,19.507 23.594,19.507 23.594,19.51 24.587,19.51 24.917,19.51 25.349,19.51 25.441,19.51 ccw(c25.441,19.703) 25.634,19.703 25.634,19.858 cw(c25.828,19.858) 25.828,20.051 cw(c25.828,19.858) 26.021,19.858 26.021,19.703 ccw(c26.215,19.703) 26.215,19.51 27.072,19.51 27.098,19.484 U2.6@32.537,19.484 33.151,19.484 33.174,19.507 U2.5@33.198,19.484 34.139,19.484 34.34,19.282 35.139,19.282 ccw(c35.5,22) 35.861,19.282 37.072,19.282 40.614,22.824 40.614,23.077 47.302,29.766 47.919,30.382 48.356,30.382 ccw(c48.356,30.728) 48.702,30.728 48.702,30.989 cw(c49.381,30.989) 50.061,30.989 50.061,29.684 ccw(c50.407,29.684) 50.752,29.684 50.752,30.826 cw(c51.432,30.826) 52.111,30.826 52.111,29.684 ccw(c52.457,29.684) 52.803,29.684 52.803,32.926 cw(c53.483,32.926) 54.162,32.926 54.162,29.684 ccw(c54.508,29.684) 54.854,29.684 54.854,29.702 cw(c55.533,29.702) 55.533,30.382 55.792,30.382 56.011,30.382 56.014,30.385 56.428,30.385 56.636,30.593 v1(56.744,30.593) ; v1(64.539,37.81) 64.582,37.853 64.763,37.853 66.409,39.5 CM1.6@67.42,39.5
  Layer 1 w0.15: v1(56.744,30.593) 56.744,30.517 56.831,30.429 57.276,30.429 64.453,37.606 64.453,37.629 64.539,37.715 v1(64.539,37.81)
ETH_D1_P: CM1.4 J9.4 U2.4 U2.7 | length 78.1
  Top Layer w0.15: J9.4@16.159,14.252 17.426,15.519 20.752,15.519 21.209,15.977
  Top Layer w0.184: 21.209,15.977 21.209,18.197 22.185,19.174 22.708,19.174 22.91,19.174 26.936,19.174 26.96,19.15 31.471,19.15 31.637,18.983 U2.7@32.537,18.983 U2.4@33.198,18.983 33.233,18.95 33.233,18.948 35.117,18.948 ccw(c35.5,22) 35.883,18.948 37.21,18.948 40.948,22.686 40.948,22.939 47.302,29.294 48.057,30.048 48.356,30.048 ccw(c48.356,30.728) 49.035,30.728 49.035,30.989 cw(c49.381,30.989) 49.727,30.989 49.727,29.684 ccw(c50.407,29.684) 51.086,29.684 51.086,30.826 cw(c51.432,30.826) 51.778,30.826 51.778,29.684 ccw(c52.457,29.684) 53.137,29.684 53.137,32.926 cw(c53.483,32.926) 53.829,32.926 53.829,29.684 ccw(c54.508,29.684) 55.188,29.684 55.188,29.702 cw(c55.533,29.702) 55.533,30.048 55.792,30.048 56.149,30.048 56.152,30.051 56.428,30.051 56.636,29.843 v1(56.744,29.843) ; v1(65.07,37.394) 64.998,37.465 64.998,37.617 66.481,39.1 CM1.4@67.42,39.1
  Layer 1 w0.15: v1(56.744,29.843) 56.831,29.931 56.831,30.007 57.451,30.007 64.752,37.308 64.983,37.308 v1(65.07,37.394)
ETH_D2_N: CM1.9 J9.6 U1.2 U1.9 | length 78
  Top Layer w0.184: J9.6@18.85,14.252 19.051,14.252 20.164,13.139 25.545,13.139 26.078,13.673 26.143,13.737 ccw(c25.953,13.928) 26.143,14.119 24.736,15.526 cw(c24.927,15.717) 24.736,15.907 cw(c24.927,15.717) 25.118,15.907 26.525,14.5 ccw(c26.715,14.691) 26.906,14.5 ccw(c26.715,14.691) 26.906,14.881 26.152,15.636 cw(c26.342,15.827) 26.152,16.017 cw(c26.342,15.827) 26.533,16.017 27.287,15.263 ccw(c27.478,15.453) 27.669,15.263 28.176,15.77 28.68,15.77 32.186,15.77 32.827,15.128 U1.9@33.34,15.128 34.055,15.128 35.22,15.128 36.653,15.128 43.093,21.568 55.503,21.568 55.531,21.597 55.945,21.597 56.153,21.805 v1(56.261,21.805) ; v1(67.894,30.714) 67.894,30.613 68.002,30.505 69.088,30.505 71.882,33.299 71.882,39.427 71.017,40.292 70.508,40.292 CM1.9@70.5,40.3
  Layer 1 w0.15: v1(56.261,21.805) 56.261,21.729 56.349,21.641 56.909,21.641 65.817,30.55 67.609,30.55 67.772,30.714 v1(67.894,30.714)
ETH_D2_P: CM1.11 J9.5 U1.1 U1.10 | length 76.5
  Top Layer w0.184: v1(17.551,14.935) 17.551,13.386 18.132,12.805 25.683,12.805 28.314,15.436 32.047,15.436 32.855,14.628 34.055,14.628 35.409,14.628 35.575,14.795 36.791,14.795 43.231,21.234 55.641,21.234 55.669,21.263 55.945,21.263 56.153,21.055 v1(56.261,21.055) ; v1(67.894,29.964) 67.894,30.064 68.002,30.172 69.226,30.172 72.216,33.161 72.216,39.565 71.081,40.7 CM1.11@70.5,40.7
  Layer 1 w0.15: v1(56.261,21.055) 56.349,21.143 56.349,21.219 57.083,21.219 65.992,30.127 67.609,30.127 67.772,29.964 v1(67.894,29.964)
  Bottom Layer w0.15: J9.5@17.429,16.792 J9.5@17.504,16.717
  Bottom Layer w0.184: v1(17.551,14.935) 17.566,14.95 17.566,16.778 J9.5@17.58,16.792
ETH_D3_N: CM1.5 J9.9 U1.5 U1.6 | length 78
  Top Layer w0.184: J9.9@22.606,16.738 J9.9@22.66,16.792 ccw(c23.313,16.792) 22.851,16.33 23.194,15.987 ccw(c23.343,16.136) 23.343,15.926 ccw(c23.343,16.258) 23.578,16.023 24.43,16.875 28.092,16.875 28.775,16.875 ccw(c28.775,17.059) 28.959,17.059 28.959,17.186 cw(c29.105,17.186) 29.105,17.332 cw(c29.105,17.186) 29.251,17.186 29.251,17.022 ccw(c29.398,17.022) 29.398,16.875 ccw(c29.398,17.022) 29.544,17.022 29.544,17.186 cw(c29.691,17.186) 29.691,17.332 cw(c29.691,17.186) 29.837,17.186 29.837,17.059 ccw(c30.021,17.059) 30.021,16.875 30.406,16.875 32.339,16.875 32.586,16.629 U1.6@33.34,16.629 U1.5@34,16.629 36.959,16.629 44.286,23.956 44.928,23.956 45.187,23.956 ccw(c45.187,24.302) 45.533,24.302 45.533,25.527 cw(c46.212,25.527) 46.892,25.527 46.892,23.6 ccw(c47.238,23.6) 47.584,23.6 47.584,23.77 cw(c48.263,23.77) 48.943,23.77 48.943,23.6 ccw(c49.288,23.6) 49.634,23.6 49.634,24.305 cw(c50.314,24.305) 50.993,24.305 50.993,23.676 ccw(c51.339,23.676) 51.685,23.676 51.685,26.308 cw(c52.364,26.308) 53.044,26.308 53.044,24.302 ccw(c53.39,24.302) 53.39,23.956 55.12,23.956 55.404,23.956 55.59,24.141 v1(55.702,24.141) ; v1(66.802,31.984) 66.802,31.953 66.98,31.775 68.478,31.775 69.288,32.585 69.288,39.131 69.657,39.5 CM1.5@70.5,39.5
  Layer 1 w0.15: v1(55.702,24.141) 55.788,24.055 56.209,24.055 56.286,23.978 56.934,23.978 64.776,31.82 66.516,31.82 66.68,31.984 v1(66.802,31.984)
ETH_D3_P: CM1.3 J9.8 U1.4 U1.7 | length 78.1
  Top Layer w0.184: J9.8@21.39,14.252 22.299,15.161 23.188,15.161 24.568,16.542 30.406,16.542 32.201,16.542 32.614,16.129 U1.7@33.34,16.129 U1.4@34,16.129 36.931,16.129 44.425,23.622 44.928,23.622 45.187,23.622 ccw(c45.187,24.302) 45.866,24.302 45.866,25.527 cw(c46.212,25.527) 46.558,25.527 46.558,23.6 ccw(c47.238,23.6) 47.917,23.6 47.917,23.77 cw(c48.263,23.77) 48.609,23.77 48.609,23.6 ccw(c49.288,23.6) 49.968,23.6 49.968,24.305 cw(c50.314,24.305) 50.66,24.305 50.66,23.676 ccw(c51.339,23.676) 52.019,23.676 52.019,26.308 cw(c52.364,26.308) 52.71,26.308 52.71,24.302 ccw(c53.39,24.302) 53.39,23.622 55.12,23.622 55.366,23.622 55.597,23.391 v1(55.702,23.391) ; v1(66.802,31.234) 66.802,31.264 66.98,31.442 68.617,31.442 69.621,32.447 69.621,38.992 69.729,39.1 CM1.3@70.5,39.1
  Layer 1 w0.15: v1(55.702,23.391) 55.788,23.478 56.209,23.478 56.286,23.555 57.109,23.555 64.951,31.397 66.516,31.397 66.68,31.234 v1(66.802,31.234)
FAN_PWM: J13.1 U7.5 | length 4.7
  Top Layer w0.254: J13.1@74.3,35.375 74.333,35.408 76.124,35.408 76.272,35.26 U7.5@78.96,35.26
FAN_TACH: J13.2 R17.1 U7.6 | length 4.9
  Top Layer w0.254: J13.2@74.3,34.125 76.01,34.125 76.505,34.62 R17.1@77.241,34.62 77.247,34.615 78.954,34.615 U7.6@78.96,34.61